# Allegro board fscvmotherboardv2.brd
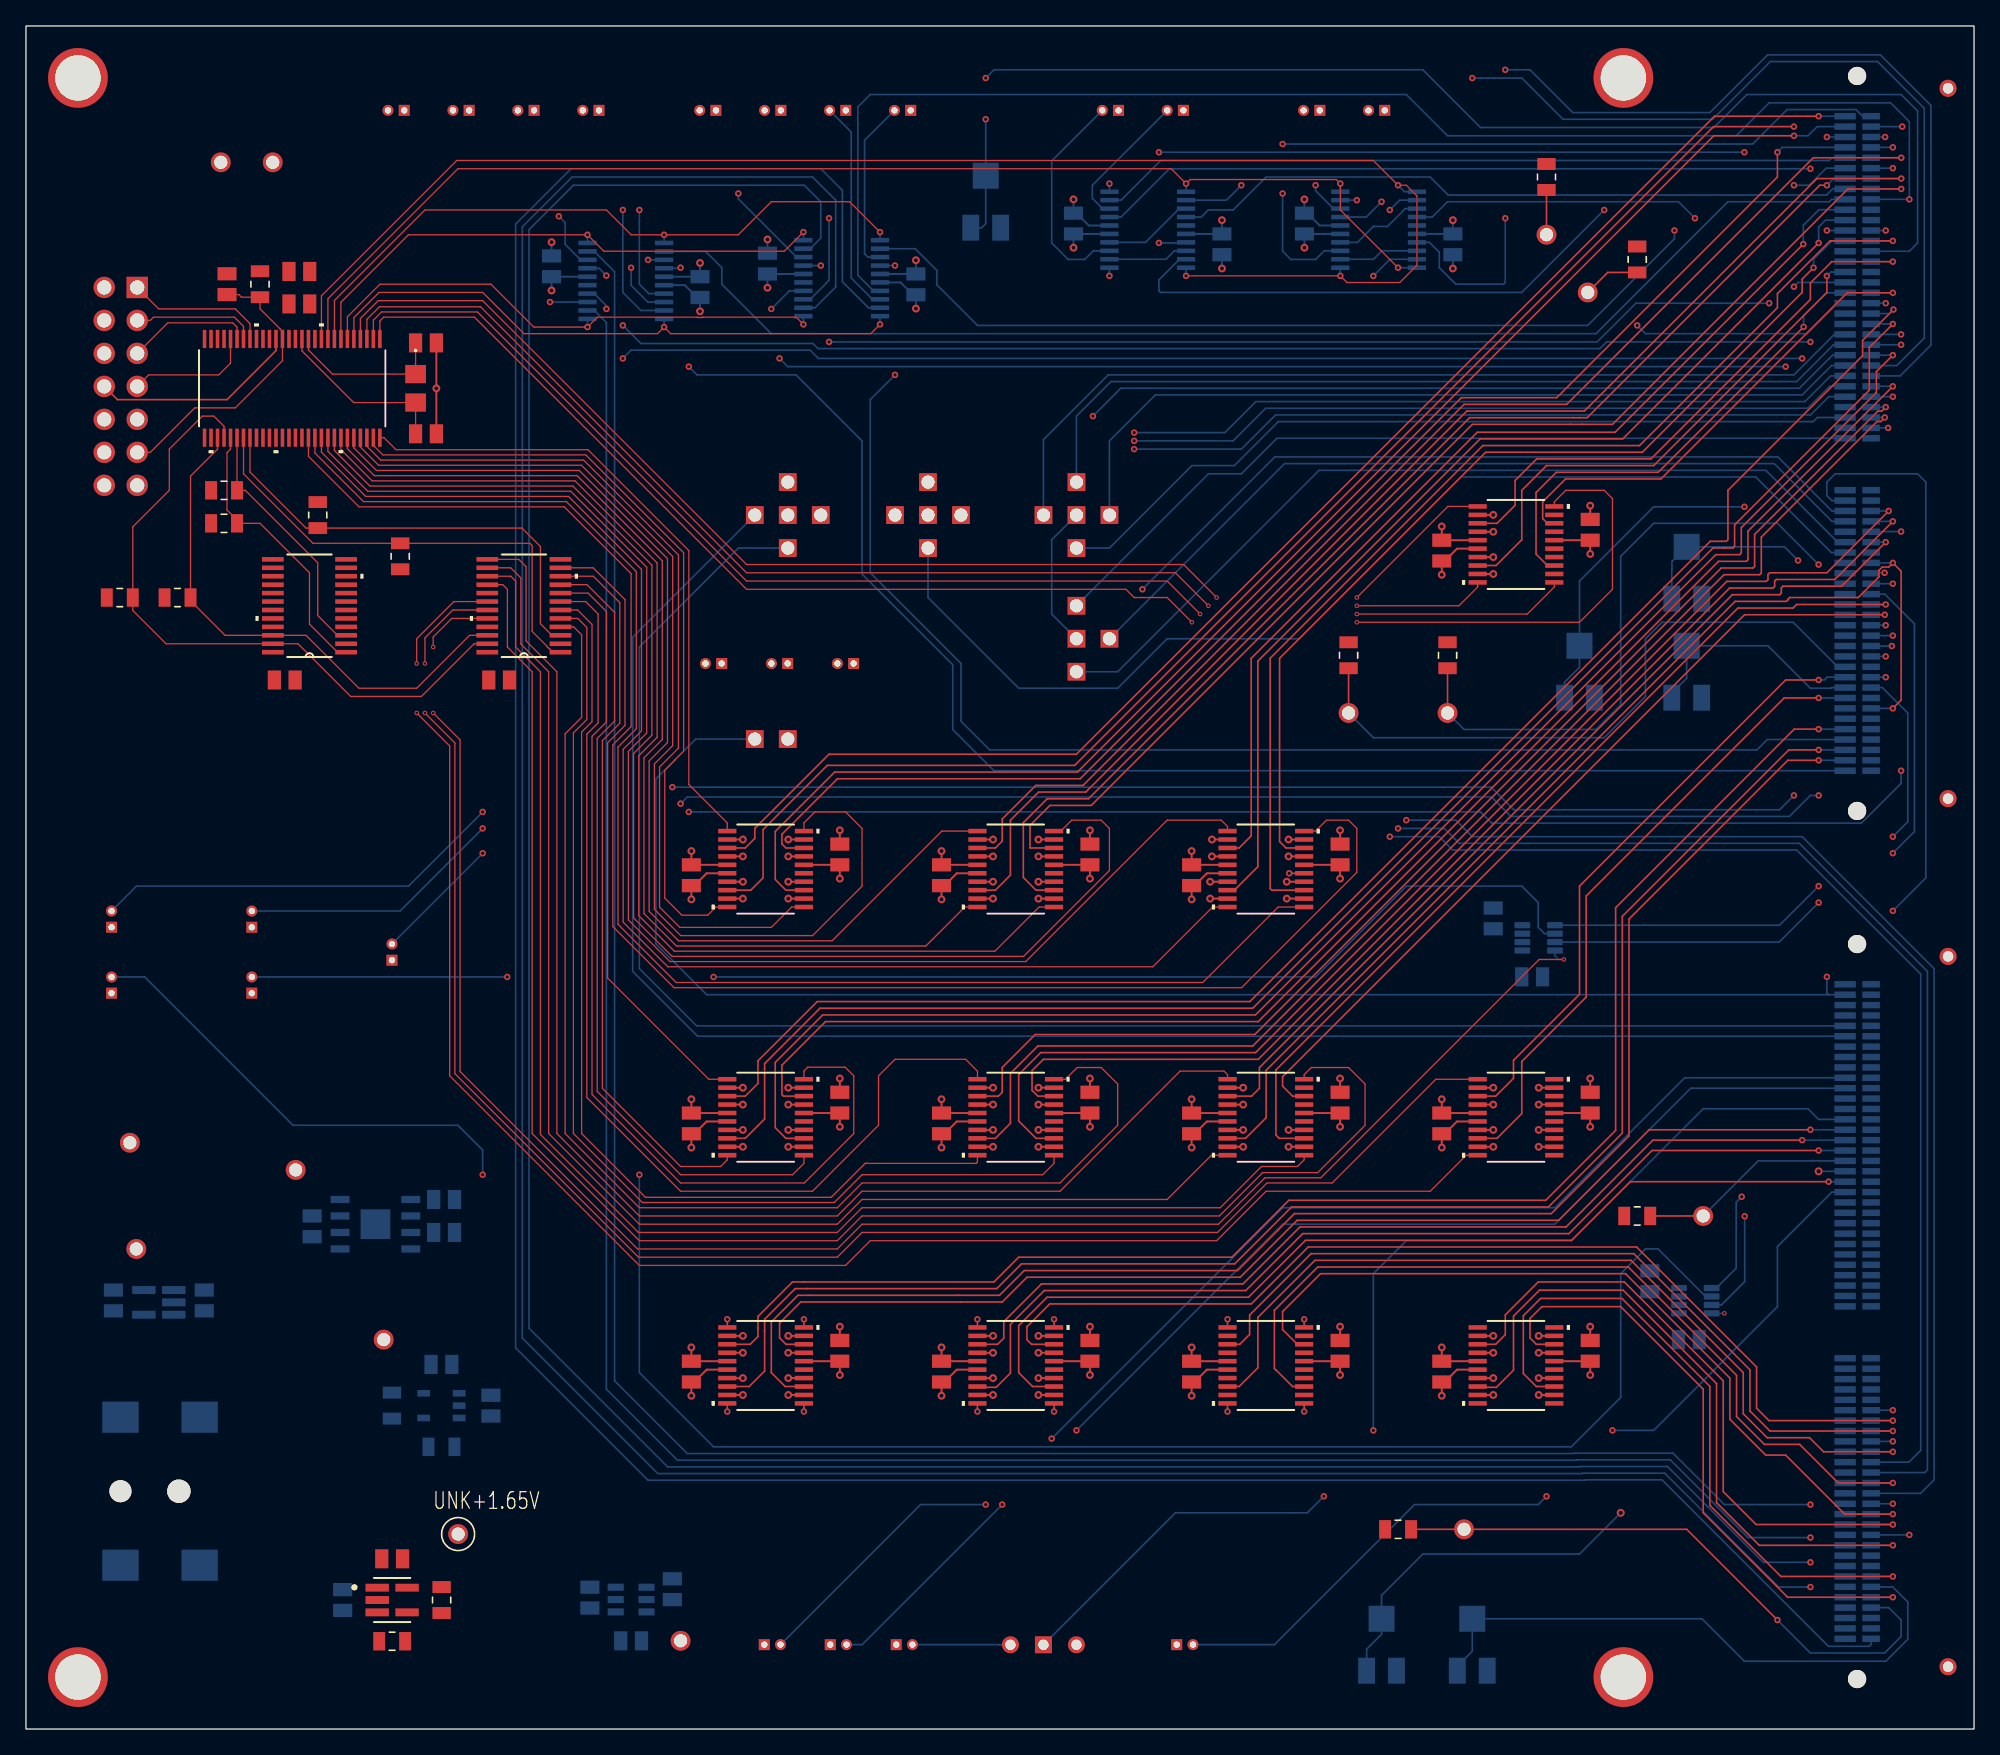
[diagram p0: board, top side]
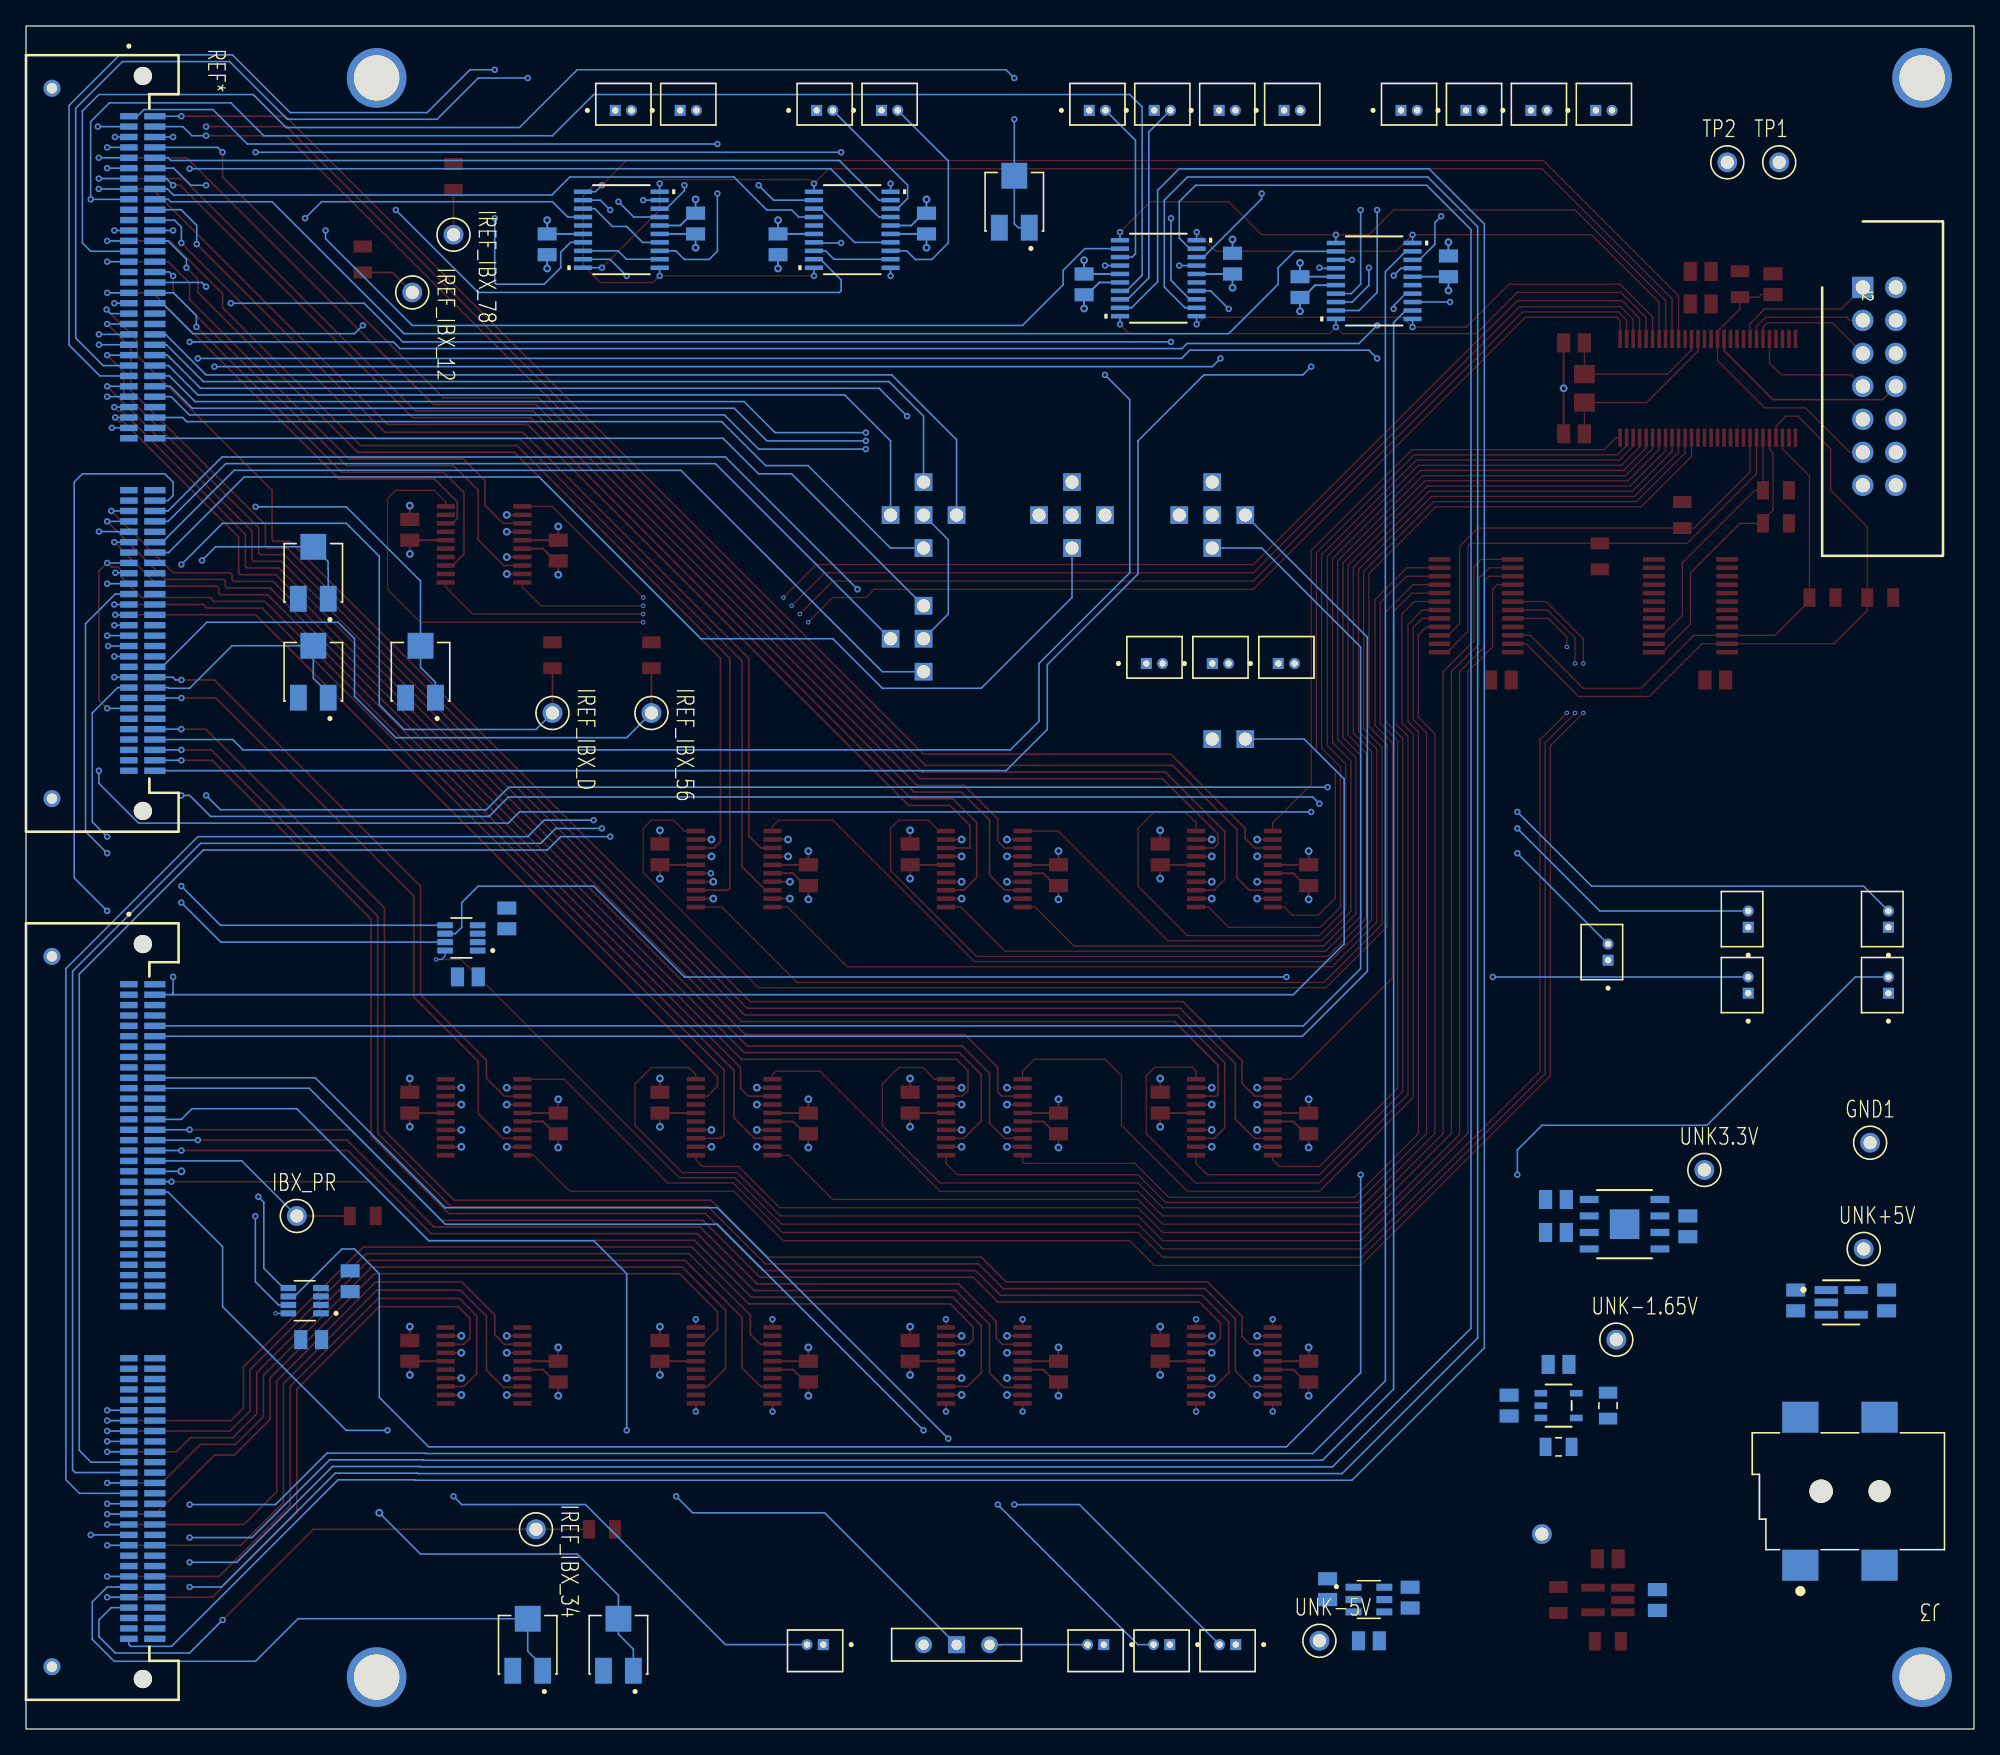
[diagram p1: board, bottom side, seen from below]

Outline 150 x 131.15 mm; copper layers: TOP, GND, POWER, BOTTOM. Coordinates in mm from the lower left corner of the outline.
Outline path: rectangle 0,0 150,131.15

## Design rules (mm)
constraint set DEFAULT: min track width 0.127
net group IB_SEL_HP_DNA: nets IB_SEL_HP_DNA<0> IB_SEL_HP_DNA<1>
net group IB_SEL_LP_DNA: nets IB_SEL_LP_DNA<0> IB_SEL_LP_DNA<1>
net group TIASW_DNA: nets TIASW_DNA<0> TIASW_DNA<1>
net group DHP_DNA: nets DHP_DNA<0> DHP_DNA<1> DHP_DNA<2> DHP_DNA<3> DHP_DNA<4> DHP_DNA<5> DHP_DNA<6> DHP_DNA<7> DHP_DNA<8> DHP_DNA<9>
net group DLP_DNA: nets DLP_DNA<0> DLP_DNA<1> DLP_DNA<2> DLP_DNA<3> DLP_DNA<4> DLP_DNA<5> DLP_DNA<6> DLP_DNA<7> DLP_DNA<8> DLP_DNA<9>
net group FSCV: nets CH_OUTPUT_D TEST_EN_D TIA_EN_DNA
net group MISC: nets N392059 N392499 N393110 N393288 N394124 N394302 N398589 N398767 N399845 N400894 N402680 N403201 N403778 N404375 N405364 N417493
net group NOTUSED: nets DIFF_NFET_1_SHARED_VB DIFF_NFET_1_SHARED_VD DIFF_NFET_1_VSN DIFF_NFET_1_VSP DIFF_NFET_2_SHARED_VB DIFF_NFET_2_SHARED_VD DIFF_NFET_2_VSN DIFF_NFET_2_VSP DIFF_NFET_3_SHARED_VB DIFF_NFET_3_SHARED_VD DIFF_NFET_3_VSN DIFF_NFET_3_VSP DIFF_PFET_SHARED_VB DIFF_PFET_SHARED_VD DIFF_PFET_VSN DIFF_PFET_VSP HP1O_DNA HP2O_DNA IA_EN_DNA IBX_IN_DIFF_DNA IBX_OPA_DNA IBX_PR_HP_DNA IBX_PR_LP_DNA IREF_EN_DNA LPO_DNA NO_CONNEC_1 NO_CONNEC_2 NO_CONNEC_3 NO_CONNEC_4 NO_CONNEC_5 NO_CONNEC_6 NO_CONNEC_7 NO_CONNEC_8 NO_CONNEC_9 NO_CONNEC_10 NO_CONNEC_11 NO_CONNEC_12 NO_CONNEC_15 NO_CONNEC_16 NO_CONNEC_17 NO_CONNEC_18 NO_CONNEC_19 NO_CONNEC_20 NO_CONNEC_21 NO_CONNEC_22 NO_CONNEC_23 NO_CONNEC_24 NO_CONNEC_25 NO_CONNEC_26 NO_CONNEC_27 NO_CONNEC_28 NO_CONNEC_29 NO_CONNEC_30 NO_CONNEC_31 NO_CONNEC_32 NO_CONNEC_33 NO_CONNEC_34 NO_CONNEC_35 NO_CONNEC_36 NO_CONNEC_37 NO_CONNEC_38 REXT_IN_DIFF_DNA REXT_OPA_DNA SH_EN_DNA TIA_TST_DNA TSTEN_DNA VBGX_PR_HP_DNA VBGX_PR_LP_DNA VCM_HP1_DNA VCM_HP2_DNA VCM_LP_DNA VCM_TIA_DNA VDD_DNA_1 VDD_DNA_2 VSN_DNA VSP_DNA VSUB_TIA_DNA
net group POWER: nets 3.3V 5V_UNREGULATED +1.65V +5V -1.65V -5V GND
net group PSEUDO: nets IREF_SWITCH_PR_SEL SEL1_PR_SEL SEL2_PR_SEL SEL3_PR_SEL
net group SELECT LINES: nets CH_AB_COND_SEL CH_CD_COND_SEL CH_EN_3_SEL CH_EN_4_SEL CH_EN_5_SEL COND_EN_3_SEL COND_EN_4_SEL EN_34_SEL EN_56_SEL HP_BYPASS_EN_3_SEL HP_BYPASS_EN_4_SEL HP_BYPASS_EN_5_SEL IREF_EN_34_SEL IREF_TEST_34_SEL

## Placement (name value [footprint] x y rotation side)
1.65V  5000  [SAMTEC_TLW-101-06-T-S]  58.66 76.23 270 bottom
C1  12p  [CAP0805]  30.8 106.75 0 top
C2  12p  [CAP0805]  30.8 99.75 0 top
C3  100n  [CAP0805]  21.05 112.25 180 top
C4  10u  [CAP0805]  21.05 109.75 180 top
C5  1n  [CAP0805]  15.48 111.27 270 top
C6  2.2u  [CAP0805]  32.19 40.78 0 bottom
C7  2.2u  [CAP0805]  32.19 38.24 0 bottom
C8  2.2u  [CAP0805]  22.03 38.71 270 bottom
C9  1u  [CAP0805]  13.73 33.01 270 bottom
C10  1u  [CAP0805]  6.73 33.01 270 bottom
C11  10u  [CAP0805]  49.77 10.77 90 bottom
C12  10u  [CAP0805]  43.42 10.12 270 bottom
C13  1u  [CAP0805]  46.59 6.8 180 bottom
C14  10u  [CAP0805]  24.39 9.94 270 bottom
C15  10u  [CAP0805]  28.19 13.11 180 top
C16  1u  [CAP0805]  31.99 28.08 0 bottom
C17  1u  [CAP0805]  35.8 24.91 90 bottom
C18  0.1u  [CAP0805]  120.44 29.13 90 top
C19  0.1u  [CAP0805]  109.02 27.53 270 top
C20  0.1u  [CAP0805]  120.44 48.24 90 top
C21  0.1u  [CAP0805]  109.02 46.64 270 top
C22  0.1u  [CAP0805]  101.19 29.13 90 top
C23  0.1u  [CAP0805]  89.75 27.53 270 top
C24  0.1u  [CAP0805]  101.19 67.35 90 top
C25  0.1u  [CAP0805]  89.75 65.75 270 top
C26  0.1u  [CAP0805]  81.92 67.35 90 top
C27  0.1u  [CAP0805]  70.5 65.75 270 top
C28  0.1u  [CAP0805]  81.92 48.24 90 top
C29  0.1u  [CAP0805]  70.5 46.64 270 top
C30  0.1u  [CAP0805]  62.66 48.24 90 top
C31  0.1u  [CAP0805]  51.23 46.64 270 top
C32  0.1u  [CAP0805]  62.66 67.35 90 top
C33  0.1u  [CAP0805]  51.23 65.75 270 top
C34  0.1u  [CAP0805]  62.66 29.13 90 top
C35  0.1u  [CAP0805]  51.23 27.53 270 top
C36  0.1u  [CAP0805]  120.44 92.35 90 top
C37  0.1u  [CAP0805]  109.02 90.75 270 top
C38  0.1u  [CAP0805]  40.47 112.64 90 bottom
C39  0.1u  [CAP0805]  51.9 111.04 270 bottom
C40  0.1u  [CAP0805]  57.09 112.85 90 bottom
C41  0.1u  [CAP0805]  68.53 111.25 270 bottom
C42  0.1u  [CAP0805]  101.19 48.24 90 top
C43  0.1u  [CAP0805]  89.75 46.64 270 top
C44  0.1u  [CAP0805]  92.09 114.34 270 bottom
C45  0.1u  [CAP0805]  80.66 115.94 90 bottom
C46  0.1u  [CAP0805]  109.87 114.34 270 bottom
C47  0.1u  [CAP0805]  98.44 115.94 90 bottom
C48  0.1u  [CAP0805]  81.92 29.13 90 top
C49  0.1u  [CAP0805]  70.5 27.53 270 top
C50  1u  [CAP0805]  36.44 80.79 180 top
C51  1u  [CAP0805]  19.92 80.79 180 top
C52  0.1u  [CAP0805]  115.97 57.93 0 bottom
C53  0.1u  [CAP0805]  112.97 62.43 90 bottom
C54  0.1u  [CAP0805]  128.04 29.99 0 bottom
C55  0.1u  [CAP0805]  125.04 34.49 90 bottom
GND1  5000  [KEYSTONE_5000]  8 45.15 180 bottom
IBX_PR  5000  [KEYSTONE_5000]  129.15 39.51 180 bottom
IREF_IBX_12  5000  [KEYSTONE_5000]  120.25 110.63 270 bottom
IREF_IBX_34  5000  [KEYSTONE_5000]  110.73 15.38 270 bottom
IREF_IBX_56  5000  [KEYSTONE_5000]  101.84 78.25 270 bottom
IREF_IBX_78  5000  [KEYSTONE_5000]  117.08 115.08 270 bottom
IREF_IBX_D  5000  [KEYSTONE_5000]  109.46 78.25 270 bottom
J1  FSCV HSEC8-160-01-L-RA x 2  [2XSAMTEC_HSEC8-160-01-X-RA-XX]  141 99 270 bottom
J2  JTAG  [SHDR14W64P254_2X7_2540X905X920P]  8.56 111.02 270 bottom
J3  PJ-002AH-SMT-TR  [CUI_PJ-002AH-SMT-TR]  10.38 18.61 0 bottom
J4  Connec2  [MOLEX_53047-0210]  43.5 124.65 180 bottom
J5  Connec2  [MOLEX_53047-0210]  67.5 124.65 180 bottom
J6  Connec2  [MOLEX_53047-0210]  88.5 124.65 180 bottom
J7  Connec2  [MOLEX_53047-0210]  17.39 62.37 90 bottom
J8  Connec2  [MOLEX_53047-0210]  38.5 124.65 180 bottom
J9  Connec2  [MOLEX_53047-0210]  62.5 124.65 180 bottom
J10  Connec2  [MOLEX_53047-0210]  104 124.65 180 bottom
J11  Connec2  [MOLEX_53047-0210]  17.39 57.29 90 bottom
J12  Connec2  [MOLEX_53047-0210]  33.5 124.65 180 bottom
J13  Connec2  [MOLEX_53047-0210]  57.5 124.65 180 bottom
J14  Connec2  [MOLEX_53047-0210]  83.5 124.65 180 bottom
J15  Connec2  [MOLEX_53047-0210]  6.59 62.37 90 bottom
J16  Connec2  [MOLEX_53047-0210]  28.5 124.65 180 bottom
J17  Connec2  [MOLEX_53047-0210]  52.5 124.65 180 bottom
J18  Connec2  [MOLEX_53047-0210]  99 124.65 180 bottom
J19  Connec2  [MOLEX_53047-0210]  6.59 57.29 90 bottom
J20  Connec2  [MOLEX_53047-0210]  28.18 59.83 90 bottom
J21  Connec2  [MOLEX_53047-0210]  57.47 6.5 0 bottom
J22  Connec2  [MOLEX_53047-0210]  67.63 6.5 0 bottom
J23  Connec2  [MOLEX_53047-0210]  62.55 6.5 0 bottom
J24  Connec2  [MOLEX_53047-0210]  89.23 6.5 0 bottom
J25  Connec2  [MOLEX_53047-0210]  52.95 82.06 180 bottom
J26  Connec2  [MOLEX_53047-0210]  63.1 82.06 180 bottom
J27  Connec2  [MOLEX_53047-0210]  58.02 82.06 180 bottom
NOREF  -  [unnamed]  123 127.15 0 top
NOREF#2  -  [unnamed]  123 4 0 top
NOREF#3  -  [unnamed]  4 127.15 0 top
NOREF#4  -  [unnamed]  4 4 0 top
R1  47k  [RES0805]  18.02 111.27 270 top
R2  10k  [RES0805]  28.81 90.31 270 top
R3  10k  [RES0805]  22.47 93.49 90 top
R4  10k  [RES0805]  7.22 87.14 180 top
R5  10k  [RES0805]  11.67 87.14 180 top
R6  10k  [RES0805]  15.25 92.85 180 top
R7  10k  [RES0805]  15.25 95.39 180 top
R10  105k  [RES0805]  32 9.94 90 top
R11  280k  [RES0805]  28.19 6.76 0 top
R12  100k  [RES0805]  28.18 24.91 90 bottom
R13  32k  [RES0805]  31.99 21.73 180 bottom
R14  100k  [RES0805]  124.06 39.51 180 top
R15  100k  [RES0805]  124.06 113.17 90 top
R16  100k  [RES0805]  105.65 15.38 180 top
R17  100k  [RES0805]  101.84 82.69 90 top
R18  100k  [RES0805]  117.08 119.52 90 top
R19  100k  [RES0805]  109.46 82.69 90 top
SNFET_1_VD  5000  [SAMTEC_TLW-101-06-T-S]  80.89 81.42 0 bottom
SNFET_2_VD  5000  [SAMTEC_TLW-101-06-T-S]  83.42 83.96 0 bottom
SNFET_3_VD  5000  [SAMTEC_TLW-101-06-T-S]  80.89 90.95 0 bottom
SNFET_4_VD  5000  [SAMTEC_TLW-101-06-T-S]  80.89 86.5 0 bottom
SNFET_5_VB  5000  [SAMTEC_TLW-101-06-T-S]  66.91 93.49 180 bottom
SNFET_5_VD  5000  [SAMTEC_TLW-101-06-T-S]  83.42 93.49 0 bottom
SNFET_5_VS  5000  [SAMTEC_TLW-101-06-T-S]  58.66 96.03 180 bottom
SNFET_SHARED_VB  5000  [SAMTEC_TLW-101-06-T-S]  69.45 90.95 180 bottom
SNFET_SHARED_VS  5000  [SAMTEC_TLW-101-06-T-S]  61.2 93.49 180 bottom
SPFET_1_VB  5000  [SAMTEC_TLW-101-06-T-S]  69.45 96.03 180 bottom
SPFET_1_VD  5000  [SAMTEC_TLW-101-06-T-S]  80.89 96.03 0 bottom
SPFET_1_VS  5000  [SAMTEC_TLW-101-06-T-S]  56.12 93.49 180 bottom
SPFET_2_VB  5000  [SAMTEC_TLW-101-06-T-S]  72 93.49 180 bottom
SPFET_2_VD  5000  [SAMTEC_TLW-101-06-T-S]  78.34 93.49 0 bottom
SPFET_2_VS  5000  [SAMTEC_TLW-101-06-T-S]  58.66 90.95 180 bottom
SW1  MSS-102559-14A-D  [SW_MSS-102559-14A-D]  78.34 6.49 0 bottom
TP1  5000  [KEYSTONE_5000]  15 120.65 180 bottom
TP2  5000  [KEYSTONE_5000]  19 120.65 180 bottom
U1  MSP430FR4132IG56  [DGG56_TEX]  20.5 103.25 270 top
U2  ADP7118ARDZ_3.3  [RD-8-1_ADI]  26.91 38.88 180 bottom
U3  TPS784-Q1DBV  [DBV0005A_IPC_A]  10.23 32.86 180 bottom
U4  TCA9539  [TCAL9539PW24]  38.34 86.5 180 top
U5  LTC1983  [SOT95P280X100-6N]  46.59 9.97 180 bottom
U6  TCA9539  [TCAL9539PW24]  21.83 86.5 180 top
U7  TPS784-Q1DBV  [DBV0005A_IPC_A]  28.19 9.94 0 top
U8  MAX1735  [21-0057F_MXM]  31.99 24.91 180 bottom
U9  TMUX6234PWR  [TSSOP20_PW_TEX]  114.73 28 0 top
U10  TMUX6234PWR  [TSSOP20_PW_TEX]  114.73 47.11 0 top
U11  TMUX6234PWR  [TSSOP20_PW_TEX]  95.47 28 0 top
U12  TMUX6234PWR  [TSSOP20_PW_TEX]  95.47 66.23 0 top
U13  TMUX6234PWR  [TSSOP20_PW_TEX]  76.21 66.23 0 top
U14  TMUX6234PWR  [TSSOP20_PW_TEX]  76.21 47.11 0 top
U15  TMUX6234PWR  [TSSOP20_PW_TEX]  56.95 47.11 0 top
U16  TMUX6234PWR  [TSSOP20_PW_TEX]  56.95 66.23 0 top
U17  TMUX6234PWR  [TSSOP20_PW_TEX]  56.95 28 0 top
U18  TMUX6234PWR  [TSSOP20_PW_TEX]  62.81 111.73 180 bottom
U19  TMUX6234PWR  [TSSOP20_PW_TEX]  114.73 91.23 0 top
U20  TMUX6234PWR  [TSSOP20_PW_TEX]  46.19 111.52 180 bottom
U21  TMUX6234PWR  [TSSOP20_PW_TEX]  95.47 47.11 0 top
U22  TMUX6234PWR  [TSSOP20_PW_TEX]  86.38 115.46 0 bottom
U23  TMUX6234PWR  [TSSOP20_PW_TEX]  104.16 115.46 0 bottom
U24  TMUX6234PWR  [TSSOP20_PW_TEX]  76.21 28 0 top
U25  TMUX6119DCNR  [SOT65P280X145-8N]  116.47 60.93 0 bottom
U26  TMUX6119DCNR  [SOT65P280X145-8N]  128.54 32.99 0 bottom
UNK3.3V  5000  [KEYSTONE_5000]  20.77 43.06 180 bottom
UNK+1.65V  5000  [KEYSTONE_5000]  33.28 15.02 0 top
UNK+5V  5000  [KEYSTONE_5000]  8.5 36.97 180 bottom
UNK-1.65V  5000  [KEYSTONE_5000]  27.55 29.99 180 bottom
UNK-5V  5000  [KEYSTONE_5000]  50.41 6.8 180 bottom
VB  5000  [SAMTEC_TLW-101-06-T-S]  69.45 93.49 180 bottom
VD1  5000  [SAMTEC_TLW-101-06-T-S]  80.89 93.49 0 bottom
VD2  5000  [SAMTEC_TLW-101-06-T-S]  80.89 83.96 0 bottom
VDD_IT1  5000  [SAMTEC_TLW-101-06-T-S]  56.12 76.23 270 bottom
VR1  3314J-1-754E  [TRIM_3314J-1-754E]  119.62 81.42 180 bottom
VR2  3314J-1-754E  [TRIM_3314J-1-754E]  111.36 6.49 180 bottom
VR3  3314J-1-754E  [TRIM_3314J-1-754E]  127.88 81.42 180 bottom
VR4  3314J-1-754E  [TRIM_3314J-1-754E]  104.38 6.49 180 bottom
VR5  3314J-1-754E  [TRIM_3314J-1-754E]  73.9 117.62 180 bottom
VR6  3314J-1-754E  [TRIM_3314J-1-754E]  127.88 89.04 180 bottom
VS  5000  [SAMTEC_TLW-101-06-T-S]  58.66 93.49 180 bottom
X1  Crystal  [XTAL_KA-A3_EPS]  30 103.25 270 top

## Library data of the parts
1.65V GND1 IBX_PR IREF_IBX_12 IREF_IBX_34 IREF_IBX_56 IREF_IBX_78 IREF_IBX_D SNFET_1_VD SNFET_2_VD SNFET_3_VD SNFET_4_VD SNFET_5_VB SNFET_5_VD SNFET_5_VS SNFET_SHARED_VB SNFET_SHARED_VS SPFET_1_VB SPFET_1_VD SPFET_1_VS SPFET_2_VB SPFET_2_VD SPFET_2_VS TP1 TP2 UNK3.3V UNK+1.65V UNK+5V UNK-1.65V UNK-5V VB VD1 VD2 VDD_IT1 VS = TP
C1-C55 = C
J1 = FSCV HSEC8-160-01-L-RA x 2
J2 = JTAG_87831-1420
J3 = PowerJack_PJ-002AH-SMT-TR
J4-J27 = Connec2
R1-R7 R10-R19 = R
SW1 = Switch_1P2T_MSS-102559-14A-D
U1 = MSP430FR4132IG56
U2 = ADP7118ARDZ_3.3: User Part Number: PN
U3 U7 = TPS78401QDBVRQ1
U4 U6 = TCA9539PWR
U5 = LTC1983ES6_5
U8 = MAX1735EUK25T
U9-U24 = TMUX6234PWR
U25 U26 = TMUX6119DCNR
VR1-VR6 = Res_3314J-1-754E
X1 = Crystal

## Footprints (pads in the part's own frame, mm; a bottom-side part is the same pattern mirrored in y, then rotated)
2XSAMTEC_HSEC8-160-01-X-RA-XX
  round 1.4 hole 1.4 unplated: (-28.3,0) (28.3,0) (38.55,0) (95.15,0)
  round 1.318 hole 0.81: (-27.35,-7) (27.35,-7) (39.5,-7) (94.2,-7)
  rect 0.5x1.65 smd: 1(-25.2,0.925) 2(-24.4,0.925) 3(-23.6,0.925) 4(-22.8,0.925) 5(-22,0.925) 6(-21.2,0.925) 7(-20.4,0.925) 8(-19.6,0.925) 9(-18.8,0.925) 10(-18,0.925) 11(-17.2,0.925) 12(-16.4,0.925) 13(-15.6,0.925) 14(-14.8,0.925) 15(-14,0.925) 16(-13.2,0.925) 17(-12.4,0.925) 18(-11.6,0.925) 19(-10.8,0.925) 20(-10,0.925) 21(-9.2,0.925) 22(-8.4,0.925) 23(-7.6,0.925) 24(-6.8,0.925) 25(-6,0.925) 26(-5.2,0.925) 27(-4.4,0.925) 28(-3.6,0.925) 29(-2.8,0.925) 30(-2,0.925) 31(-1.2,0.925) 32(-0.4,0.925) 33(3.6,0.925) 34(4.4,0.925) 35(5.2,0.925) 36(6,0.925) 37(6.8,0.925) 38(7.6,0.925) 39(8.4,0.925) 40(9.2,0.925) 41(10,0.925) 42(10.8,0.925) 43(11.6,0.925) 44(12.4,0.925) 45(13.2,0.925) 46(14,0.925) 47(14.8,0.925) 48(15.6,0.925) 49(16.4,0.925) 50(17.2,0.925) 51(18,0.925) 52(18.8,0.925) 53(19.6,0.925) 54(20.4,0.925) 55(21.2,0.925) 56(22,0.925) 57(22.8,0.925) 58(23.6,0.925) 59(24.4,0.925) 60(25.2,0.925) 121(41.65,0.925) 122(42.45,0.925) 123(43.25,0.925) 124(44.05,0.925) 125(44.85,0.925) 126(45.65,0.925) 127(46.45,0.925) 128(47.25,0.925) 129(48.05,0.925) 130(48.85,0.925) 131(49.65,0.925) 132(50.45,0.925) 133(51.25,0.925) 134(52.05,0.925) 135(52.85,0.925) 136(53.65,0.925) 137(54.45,0.925) 138(55.25,0.925) 139(56.05,0.925) 140(56.85,0.925) 141(57.65,0.925) 142(58.45,0.925) 143(59.25,0.925) 144(60.05,0.925) 145(60.85,0.925) 146(61.65,0.925) 147(62.45,0.925) 148(63.25,0.925) 149(64.05,0.925) 150(64.85,0.925) 151(65.65,0.925) 152(66.45,0.925) 153(70.45,0.925) 154(71.25,0.925) 155(72.05,0.925) 156(72.85,0.925) 157(73.65,0.925) 158(74.45,0.925) 159(75.25,0.925) 160(76.05,0.925) 161(76.85,0.925) 162(77.65,0.925) 163(78.45,0.925) 164(79.25,0.925) 165(80.05,0.925) 166(80.85,0.925) 167(81.65,0.925) 168(82.45,0.925) 169(83.25,0.925) 170(84.05,0.925) 171(84.85,0.925) 172(85.65,0.925) 173(86.45,0.925) 174(87.25,0.925) 175(88.05,0.925) 176(88.85,0.925) 177(89.65,0.925) 178(90.45,0.925) 179(91.25,0.925) 180(92.05,0.925)
  rect 0.5x1.35 smd: 61(-25.2,-1.075) 62(-24.4,-1.075) 63(-23.6,-1.075) 64(-22.8,-1.075) 65(-22,-1.075) 66(-21.2,-1.075) 67(-20.4,-1.075) 68(-19.6,-1.075) 69(-18.8,-1.075) 70(-18,-1.075) 71(-17.2,-1.075) 72(-16.4,-1.075) 73(-15.6,-1.075) 74(-14.8,-1.075) 75(-14,-1.075) 76(-13.2,-1.075) 77(-12.4,-1.075) 78(-11.6,-1.075) 79(-10.8,-1.075) 80(-10,-1.075) 81(-9.2,-1.075) 82(-8.4,-1.075) 83(-7.6,-1.075) 84(-6.8,-1.075) 85(-6,-1.075) 86(-5.2,-1.075) 87(-4.4,-1.075) 88(-3.6,-1.075) 89(-2.8,-1.075) 90(-2,-1.075) 91(-1.2,-1.075) 92(-0.4,-1.075) 93(3.6,-1.075) 94(4.4,-1.075) 95(5.2,-1.075) 96(6,-1.075) 97(6.8,-1.075) 98(7.6,-1.075) 99(8.4,-1.075) 100(9.2,-1.075) 101(10,-1.075) 102(10.8,-1.075) 103(11.6,-1.075) 104(12.4,-1.075) 105(13.2,-1.075) 106(14,-1.075) 107(14.8,-1.075) 108(15.6,-1.075) 109(16.4,-1.075) 110(17.2,-1.075) 111(18,-1.075) 112(18.8,-1.075) 113(19.6,-1.075) 114(20.4,-1.075) 115(21.2,-1.075) 116(22,-1.075) 117(22.8,-1.075) 118(23.6,-1.075) 119(24.4,-1.075) 120(25.2,-1.075) 181(41.65,-1.075) 182(42.45,-1.075) 183(43.25,-1.075) 184(44.05,-1.075) 185(44.85,-1.075) 186(45.65,-1.075) 187(46.45,-1.075) 188(47.25,-1.075) 189(48.05,-1.075) 190(48.85,-1.075) 191(49.65,-1.075) 192(50.45,-1.075) 193(51.25,-1.075) 194(52.05,-1.075) 195(52.85,-1.075) 196(53.65,-1.075) 197(54.45,-1.075) 198(55.25,-1.075) 199(56.05,-1.075) 200(56.85,-1.075) 201(57.65,-1.075) 202(58.45,-1.075) 203(59.25,-1.075) 204(60.05,-1.075) 205(60.85,-1.075) 206(61.65,-1.075) 207(62.45,-1.075) 208(63.25,-1.075) 209(64.05,-1.075) 210(64.85,-1.075) 211(65.65,-1.075) 212(66.45,-1.075) 213(70.45,-1.075) 214(71.25,-1.075) 215(72.05,-1.075) 216(72.85,-1.075) 217(73.65,-1.075) 218(74.45,-1.075) 219(75.25,-1.075) 220(76.05,-1.075) 221(76.85,-1.075) 222(77.65,-1.075) 223(78.45,-1.075) 224(79.25,-1.075) 225(80.05,-1.075) 226(80.85,-1.075) 227(81.65,-1.075) 228(82.45,-1.075) 229(83.25,-1.075) 230(84.05,-1.075) 231(84.85,-1.075) 232(85.65,-1.075) 233(86.45,-1.075) 234(87.25,-1.075) 235(88.05,-1.075) 236(88.85,-1.075) 237(89.65,-1.075) 238(90.45,-1.075) 239(91.25,-1.075) 240(92.05,-1.075)
21-0057F_MXM
  rect 0.978x0.508 smd: 1(-1.365,0.95) 2(-1.365,0) 3(-1.365,-0.95) 4(1.365,-0.95) 5(1.365,0.95)
CAP0805
  rect 1.02x1.47 smd: 1(-0.8,0) 2(0.8,0)
CUI_PJ-002AH-SMT-TR
  round 1.7 hole 1.7 unplated: (-3.1,0.3)
  round 1.8 hole 1.8 unplated: (1.4,0.3)
  rect 2.8x2.4 smd: 1A(3,6) 1B(-3.1,6) 2(-3.1,-5.4) 3(3,-5.4)
DBV0005A_IPC_A
  rect 1.805x0.612 smd: 1(-1.151,0.95) 2(-1.151,0) 3(-1.151,-0.95) 4(1.151,-0.95) 5(1.151,0.95)
DGG56_TEX
  rect 1.404x0.279 smd: 1(-3.801,6.75) 2(-3.801,6.25) 3(-3.801,5.75) 4(-3.801,5.25) 5(-3.801,4.75) 6(-3.801,4.25) 7(-3.801,3.75) 8(-3.801,3.25) 9(-3.801,2.75) 10(-3.801,2.25) 11(-3.801,1.75) 12(-3.801,1.25) 13(-3.801,0.75) 14(-3.801,0.25) 15(-3.801,-0.25) 16(-3.801,-0.75) 17(-3.801,-1.25) 18(-3.801,-1.75) 19(-3.801,-2.25) 20(-3.801,-2.75) 21(-3.801,-3.25) 22(-3.801,-3.75) 23(-3.801,-4.25) 24(-3.801,-4.75) 25(-3.801,-5.25) 26(-3.801,-5.75) 27(-3.801,-6.25) 28(-3.801,-6.75) 29(3.801,-6.75) 30(3.801,-6.25) 31(3.801,-5.75) 32(3.801,-5.25) 33(3.801,-4.75) 34(3.801,-4.25) 35(3.801,-3.75) 36(3.801,-3.25) 37(3.801,-2.75) 38(3.801,-2.25) 39(3.801,-1.75) 40(3.801,-1.25) 41(3.801,-0.75) 42(3.801,-0.25) 43(3.801,0.25) 44(3.801,0.75) 45(3.801,1.25) 46(3.801,1.75) 47(3.801,2.25) 48(3.801,2.75) 49(3.801,3.25) 50(3.801,3.75) 51(3.801,4.25) 52(3.801,4.75) 53(3.801,5.25) 54(3.801,5.75) 55(3.801,6.25) 56(3.801,6.75)
KEYSTONE_5000
  round 1.53 hole 1.02: TP(0,0)
MOLEX_53047-0210
  round 0.85 hole 0.5: 1(0.625,0)
  rect 0.85x0.85 hole 0.5: 2(-0.625,0)
RD-8-1_ADI
  rect 1.455x0.558 smd: 1(-2.721,1.905) 2(-2.721,0.635) 3(-2.721,-0.635) 4(-2.721,-1.905) 5(2.721,-1.905) 6(2.721,-0.635) 7(2.721,0.635) 8(2.721,1.905)
  rect 2.286x2.286 smd: 9(0,0)
RES0805
  rect 0.92x1.42 smd: 1(-1,0) 2(1,0)
SAMTEC_TLW-101-06-T-S
  rect 1.37x1.37 hole 1.02: TP(0,0)
SHDR14W64P254_2X7_2540X905X920P
  rect 1.65x1.65 hole 1.1: 1(0,0)
  round 1.65 hole 1.1: 2(0,2.54) 3(2.54,0) 4(2.54,2.54) 5(5.08,0) 6(5.08,2.54) 7(7.62,0) 8(7.62,2.54) 9(10.16,0) 10(10.16,2.54) 11(12.7,0) 12(12.7,2.54) 13(15.24,0) 14(15.24,2.54)
SOT65P280X145-8N
  custom 1.21x0.48 smd: 1(-1.255,0.975) 2(-1.255,0.325) 3(-1.255,-0.325) 4(-1.255,-0.975) 5(1.255,-0.975) 6(1.255,-0.325) 7(1.255,0.325) 8(1.255,0.975)
SOT95P280X100-6N
  custom 1.24x0.55 smd: 1(-1.185,0.95) 2(-1.185,0) 3(-1.185,-0.95) 4(1.185,-0.95) 5(1.185,0) 6(1.185,0.95)
SW_MSS-102559-14A-D
  rect 1.308x1.308 hole 0.8: 1(0,0)
  round 1.308 hole 0.8: 2(-2.54,0) 3(2.54,0)
TCAL9539PW24
  rect 1.676x0.356 smd: 1(-2.819,3.575) 2(-2.819,2.925) 3(-2.819,2.275) 4(-2.819,1.625) 5(-2.819,0.975) 6(-2.819,0.325) 7(-2.819,-0.325) 8(-2.819,-0.975) 9(-2.819,-1.625) 10(-2.819,-2.275) 11(-2.819,-2.925) 12(-2.819,-3.575) 13(2.819,-3.575) 14(2.819,-2.925) 15(2.819,-2.275) 16(2.819,-1.625) 17(2.819,-0.975) 18(2.819,-0.325) 19(2.819,0.325) 20(2.819,0.975) 21(2.819,1.625) 22(2.819,2.275) 23(2.819,2.925) 24(2.819,3.575)